# Altium PCB CatsPi-Dev-Board-using-CM4.PcbDoc (part 1 of 2) (continued)
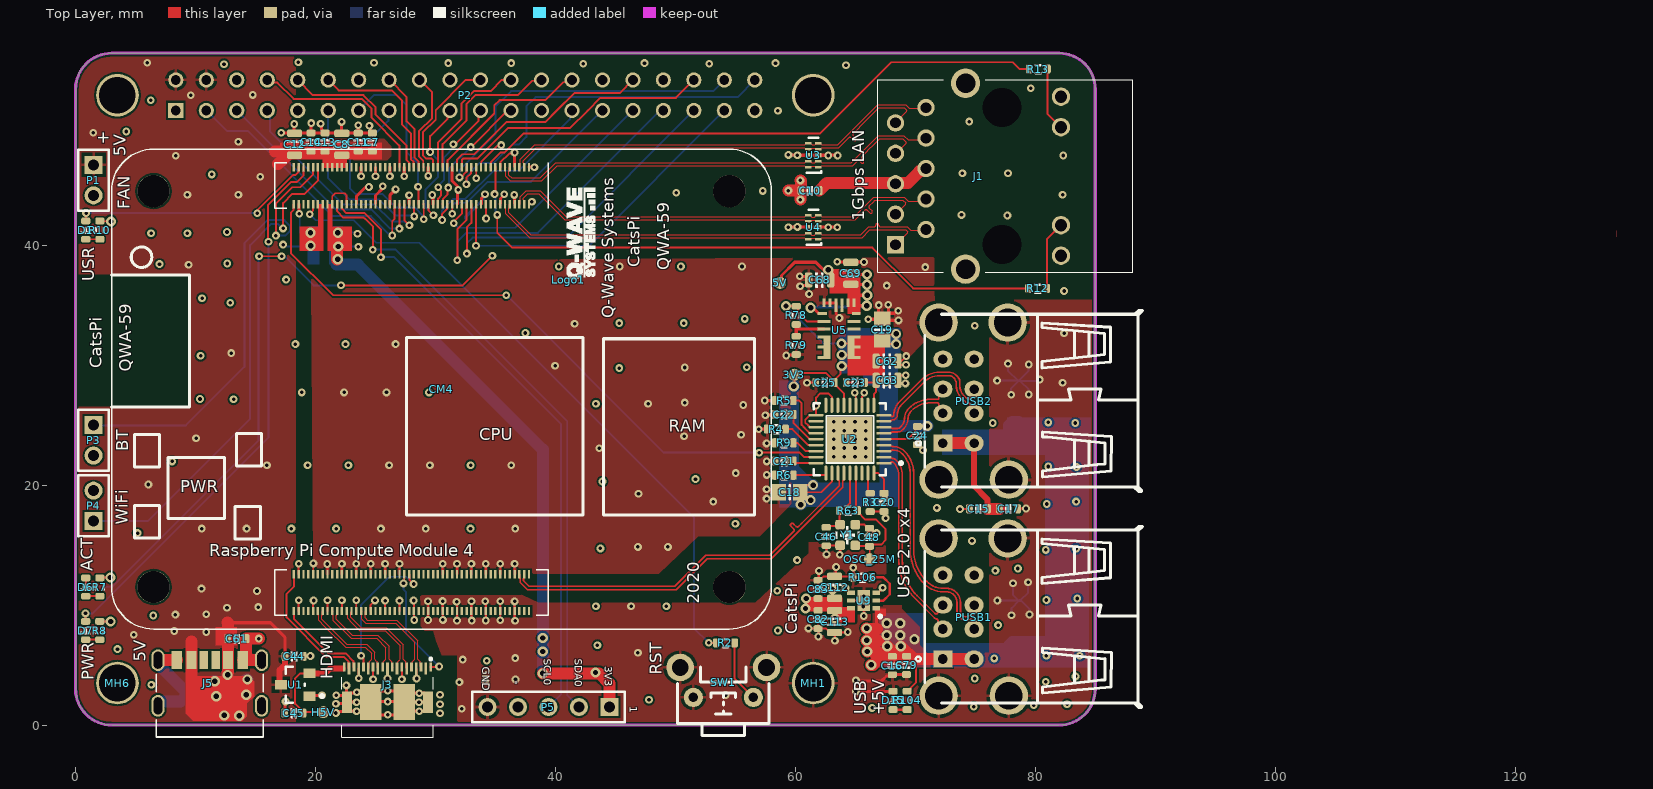
[diagram p0: Top Layer view]
## Components (designator, comment, footprint, x,y, rotation, side; value= is the part's Value field where it differs from the comment) (continued)
R79 "44.2K 1%" RES_0603 60.075,31.648 r90 top locked
R104 "1k" RES_0603 69.322,2.05 r90 top locked
R106 "20K" RES_0603 65.6,12.3 r0 top locked
SW1 "MJTP1117" "TSW DIP-3*6*4.3_V" 54,2.3 r0 top locked
U1 "IC_Diodes_AP2331W-7_eec" DIODES_AP2331W-7_0 18.305,3.361 r90 top locked
U2 "USB2514B/M2" USB2514BM2_SQFN 64.55,23.825 r180 top locked
U3 "TPD4EUSB30DQAR" DQA0010A_V 61.5,47.5 r180 top locked
U4 "TPD4EUSB30DQAR" DQA0010A_V 61.5,41.5 r180 top locked
U5 "MPM3820GQV-P" MPM3820GQVP 63.641,32.744 r0 top locked
U9 "DiodesZetex AP2553AFDC-7" SON65P201X201X63-7N 65.7,10.375 r180 top locked
Y1 "XTAL 25MHz XRCGB25M000F2P02R0" XT_2016_4 64.366,15.839 r270 top locked value=?MHz

## Footprints (in the part's own frame and the unit in brackets; to place one, negate y for a bottom-side part, rotate by r counter-clockwise, add the part's x,y. Pads: shape width x height; smd on the part's side, far side on the other; paste and mask are expansions set on the pad)
6-0805_N [mm] "Chip Resistor, Body 2.0x1.2mm, IPC Medium Density"
  rect 1.2x1.4 smd: 1(-0.9,0) 2(0.9,0)
  silkscreen extent 0,-0.6 0,0.6, body extent -1.07,-0.7 1.07,0.7, height 0.7
48F-01GY2DPL2NL [mm] "48F-01GY2DPL2NL  Shanghai YDS Tech"
  rect 1.446x1.446 hole 0.89: 1(0,0)
  round 1.446 hole 0.89: 2(-1.27,2.54) 3(-2.54,0) 4(-3.81,2.54) 5(-5.08,0) 6(-6.35,2.54) 7(-7.62,0) 8(-8.89,2.54) 9(-10.16,0) 10(-11.43,2.54)
  round 1.53 hole 1.02: 11(0.91,13.79) 12(-1.63,13.79) 13(-9.8,13.79) 14(-12.34,13.79)
  round 2.445 hole 1.63: 15(-13.46,5.84) 16(2.03,5.84)
  round 1.625 hole 3.25 unplated: 17(-11.43,8.89) 18(0,8.89)
  silkscreen extent -13.73,-1.5 2.3,19.79, body extent -13.72,-1.4 2.32,19.9, height 13.5
1210C-GENERIC [mil]
  rect 60x100 smd: 1(0,0) 2(135,0)
  silkscreen extent -50,-70 185,70, body extent -10,-50 145,50, height 46
"C 1210" [mil] "๏ฟฝผ๏ฟฝ๏ฟฝ๏ฟฝ๏ฟฝ๏ฟฝฦฌ๏ฟฝ๏ฟฝ๏ฟฝ๏ฟฝ"
  rect 70x100 smd: 1(-77.5,0) 2(77.5,0)
  silkscreen extent -125,-62 123,62, body extent -63,-51 63,51, height 60
CAP_0603 [mil]
  rrect50% 22x30 smd: 1(-30,0) 2(30,0)
  silkscreen extent -10,-15 10,15, body extent -31,-16 31,16, height 31
CAP_0805 [mil]
  rrect50% 24x50 smd: 1(-36,0) 2(36,0)
  silkscreen extent -12,-24 12,24, body extent -39,-25 39,25, height 39
CM4-F40C-100DS-0.4v_1.5mm_0mm [mm] "DF40C-100DS-0.4v by Amornthep Phunsin"
  round 2.7 hole 2.7: 0(-16.5,24) 0(-16.5,-24) 0(16.5,24) 0(16.5,-24)
  rect 0.7x0.2 smd: 1(18.5,-7.3) 2(15.42,-7.3) 3(18.5,-6.9) 4(15.42,-6.9) 5(18.5,-6.5) 6(15.42,-6.5) 7(18.5,-6.1) 8(15.42,-6.1) 9(18.5,-5.7) 10(15.42,-5.7) 11(18.5,-5.3) 12(15.42,-5.3) 13(18.5,-4.9) 14(15.42,-4.9) 15(18.5,-4.5) 16(15.42,-4.5) 17(18.5,-4.1) 18(15.42,-4.1) 19(18.5,-3.7) 20(15.42,-3.7) 21(18.5,-3.3) 22(15.42,-3.3) 23(18.5,-2.9) 24(15.42,-2.9) 25(18.5,-2.5) 26(15.42,-2.5) 27(18.5,-2.1) 28(15.42,-2.1) 29(18.5,-1.7) 30(15.42,-1.7) 31(18.5,-1.3) 32(15.42,-1.3) 33(18.5,-0.9) 34(15.42,-0.9) 35(18.5,-0.5) 36(15.42,-0.5) 37(18.5,-0.1) 38(15.42,-0.1) 39(18.5,0.3) 40(15.42,0.3) 41(18.5,0.7) 42(15.42,0.7) 43(18.5,1.1) 44(15.42,1.1) 45(18.5,1.5) 46(15.42,1.5) 47(18.5,1.9) 48(15.42,1.9) 49(18.5,2.3) 50(15.42,2.3) 51(18.5,2.7) 52(15.42,2.7) 53(18.5,3.1) 54(15.42,3.1) 55(18.5,3.5) 56(15.42,3.5) 57(18.5,3.9) 58(15.42,3.9) 59(18.5,4.3) 60(15.42,4.3) 61(18.5,4.7) 62(15.42,4.7) 63(18.5,5.1) 64(15.42,5.1) 65(18.5,5.5) 66(15.42,5.5) 67(18.5,5.9) 68(15.42,5.9) 69(18.5,6.3) 70(15.42,6.3) 71(18.5,6.7) 72(15.42,6.7) 73(18.5,7.1) 74(15.42,7.1) 75(18.5,7.5) 76(15.42,7.5) 77(18.5,7.9) 78(15.42,7.9) 79(18.5,8.3) 80(15.42,8.3) 81(18.5,8.7) 82(15.42,8.7) 83(18.5,9.1) 84(15.42,9.1) 85(18.5,9.5) 86(15.42,9.5) 87(18.5,9.9) 88(15.42,9.9) 89(18.5,10.3) 90(15.42,10.3) 91(18.5,10.7) 92(15.42,10.7) 93(18.5,11.1) 94(15.42,11.1) 95(18.5,11.5) 96(15.42,11.5) 97(18.5,11.9) 98(15.42,11.9) 99(18.5,12.3) 100(15.42,12.3) 101(-15.42,-7.3) 102(-18.5,-7.3) 103(-15.42,-6.9) 104(-18.5,-6.9) 105(-15.42,-6.5) 106(-18.5,-6.5) 107(-15.42,-6.1) 108(-18.5,-6.1) 109(-15.42,-5.7) 110(-18.5,-5.7) 111(-15.42,-5.3) 112(-18.5,-5.3) 113(-15.42,-4.9) 114(-18.5,-4.9) 115(-15.42,-4.5) 116(-18.5,-4.5) 117(-15.42,-4.1) 118(-18.5,-4.1) 119(-15.42,-3.7) 120(-18.5,-3.7) 121(-15.42,-3.3) 122(-18.5,-3.3) 123(-15.42,-2.9) 124(-18.5,-2.9) 125(-15.42,-2.5) 126(-18.5,-2.5) 127(-15.42,-2.1) 128(-18.5,-2.1) 129(-15.42,-1.7) 130(-18.5,-1.7) 131(-15.42,-1.3) 132(-18.5,-1.3) 133(-15.42,-0.9) 134(-18.5,-0.9) 135(-15.42,-0.5) 136(-18.5,-0.5) 137(-15.42,-0.1) 138(-18.5,-0.1) 139(-15.42,0.3) 140(-18.5,0.3) 141(-15.42,0.7) 142(-18.5,0.7) 143(-15.42,1.1) 144(-18.5,1.1) 145(-15.42,1.5) 146(-18.5,1.5) 147(-15.42,1.9) 148(-18.5,1.9) 149(-15.42,2.3) 150(-18.5,2.3) 151(-15.42,2.7) 152(-18.5,2.7) 153(-15.42,3.1) 154(-18.5,3.1) 155(-15.42,3.5) 156(-18.5,3.5) 157(-15.42,3.9) 158(-18.5,3.9) 159(-15.42,4.3) 160(-18.5,4.3) 161(-15.42,4.7) 162(-18.5,4.7) 163(-15.42,5.1) 164(-18.5,5.1) 165(-15.42,5.5) 166(-18.5,5.5) 167(-15.42,5.9) 168(-18.5,5.9) 169(-15.42,6.3) 170(-18.5,6.3) 171(-15.42,6.7) 172(-18.5,6.7) 173(-15.42,7.1) 174(-18.5,7.1) 175(-15.42,7.5) 176(-18.5,7.5) 177(-15.42,7.9) 178(-18.5,7.9) 179(-15.42,8.3) 180(-18.5,8.3) 181(-15.42,8.7) 182(-18.5,8.7) 183(-15.42,9.1) 184(-18.5,9.1) 185(-15.42,9.5) 186(-18.5,9.5) 187(-15.42,9.9) 188(-18.5,9.9) 189(-15.42,10.3) 190(-18.5,10.3) 191(-15.42,10.7) 192(-18.5,10.7) 193(-15.42,11.1) 194(-18.5,11.1) 195(-15.42,11.5) 196(-18.5,11.5) 197(-15.42,11.9) 198(-18.5,11.9) 199(-15.42,12.3) 200(-18.5,12.3)
  silkscreen extent -20,-27.5 20,27.5, body extent -20,-27.5 20,27.5, height 5.15
DIODES_AP2331W-7_0 [mm]
  rect 0.8x1 smd paste+0 mask+0: 1(-0.95,-1.2) 2(0.95,-1.2) 3(0,1.2)
  silkscreen extent -1.5,-2.38 1.5,0.8, body extent -1.5,-1.37 1.5,1.43, height 1.15
DQA0010A_V [mm] "SON, 10-Leads, Body 1x2.5mm, Pitch 0.5mm, TI Recommended"
  rrect50% 0.565x0.2 smd: 1(-0.417,1) 2(-0.417,0.5) 4(-0.417,-0.5) 5(-0.417,-1) 6(0.417,-1) 7(0.417,-0.5) 9(0.417,0.5) 10(0.417,1)
  rrect28% 0.565x0.36 on Top Paste: 3(-0.417,0) 8(0.417,0)
  rrect25% 0.565x0.4 smd paste-0.2: 3(-0.417,0) 8(0.417,0)
  silkscreen extent -0.67,-1.45 0.55,1.45, body extent -0.55,-1.3 0.55,1.3, height 0.56
HDR1X2 [mm] "Connector; Header; 2 Position"
  rect 1.5x1.5 hole 0.9: 1(0,0)
  round 1.5 hole 0.9: 2(2.54,0)
  silkscreen extent -1.27,-1.27 3.81,1.27
HDR1X5 [mm] "Connector; Header; 5 Position"
  rect 1.5x1.5 hole 0.9: 1(0,0)
  round 1.5 hole 0.9: 2(2.54,0) 3(5.08,0) 4(7.62,0) 5(10.16,0)
  silkscreen extent -1.27,-1.27 11.43,1.27
"HDR2X20_2.54_180 - 2 Hole" [mil]
  round 140 hole 120: 0(-2091.73,-50) 0(191.73,-50)
  rect 50x50 hole 32: 1(0,0)
  round 50 hole 32: 2(0,-100) 3(-100,0) 4(-100,-100) 5(-200,0) 6(-200,-100) 7(-300,0) 8(-300,-100) 9(-400,0) 10(-400,-100) 11(-500,0) 12(-500,-100) 13(-600,0) 14(-600,-100) 15(-700,0) 16(-700,-100) 17(-800,0) 18(-800,-100) 19(-900,0) 20(-900,-100) 21(-1000,0) 22(-1000,-100) 23(-1100,0) 24(-1100,-100) 25(-1200,0) 26(-1200,-100) 27(-1300,0) 28(-1300,-100) 29(-1400,0) 30(-1400,-100) 31(-1500,0) 32(-1500,-100) 33(-1600,0) 34(-1600,-100) 35(-1700,0) 36(-1700,-100) 37(-1800,0) 38(-1800,-100) 39(-1900,0) 40(-1900,-100)
  body extent -1950,-150 50,50, height 335
LED_0603_BLUE [mil]
  rrect50% 22x30 smd: 1(-30,0) 2(30,0)
  silkscreen extent -10,-16 10,16, body extent -32,-16 32,16, height 24
LED_0603_GREEN [mil]
  rrect50% 22x30 smd: 1(-30,0) 2(30,0)
  silkscreen extent -10,-16 10,16, body extent -32,-16 32,16, height 24
MH3-4 [mil]
  round 140 hole 120: 1(0,0)
MPM3820GQVP [mm]
  rect 0.8x0.25 smd: 1(-1.4,1.55)
  rect 1.1x0.25 smd: 2(-1.25,0.9) 3(-1.25,0.25) 10(1.25,0.25) 11(1.25,0.9)
  rect 0.5x0.25 smd: 4(-1.55,-0.4) 5(-1.55,-1.25) 6(-1.55,-2.1) 7(1.55,-2.1) 8(1.55,-1.25) 9(1.55,-0.4)
  rect 0.6x1.95 smd: 6(-1,-1.25) 7(1,-1.25)
  rect 0.7x0.25 smd: 12(1.45,1.55)
  rect 0.25x0.7 smd: 13(1.25,2.45) 14(0.75,2.45) 17(-0.75,2.45) 18(-1.25,2.45)
  rect 0.25x1.1 smd: 15(0.25,2.25) 16(-0.25,2.25)
  body extent -1.52,-2.54 1.65,2.54, height 0.51
PKS01940110 [mm]
  rect 0.23x0.75 smd: 1(3.6,5.825) 3(2.8,5.825) 5(2,5.825) 7(1.2,5.825) 9(0.4,5.825) 11(-0.4,5.825) 13(-1.2,5.825) 15(-2,5.825) 17(-2.8,5.825) 19(-3.6,5.825)
  rect 0.23x1 smd: 2(3.2,5.7) 4(2.4,5.7) 6(1.6,5.7) 8(0.8,5.7) 10(0,5.7) 12(-0.8,5.7) 14(-1.6,5.7) 16(-2.4,5.7) 18(-3.2,5.7)
  rect 0.85x1.8 smd: 20(-3.375,2.9) 23(3.375,2.9)
  rect 1.8x3 smd: 21(-1.4,2.9) 22(1.4,2.9)
  silkscreen extent -3.83,0 3.83,6.6, body extent -3.15,0 3.35,7.5, height 2.98
Qwave_Logo1 [mm]
  silkscreen extent 0.08,-2.26 7.7,0.1
RES_0603 [mil]
  rrect50% 22x30 smd: 1(-30,0) 2(30,0)
  silkscreen extent -10,-16 10,16, body extent -31,-16 31,16, height 18
SON65P201X201X63-7N [mm]
  rect 0.65x0.35 smd: 1(-1.05,0.65) 2(-1.05,0) 3(-1.05,-0.65) 4(1.05,-0.65) 5(1.05,0) 6(1.05,0.65)
  rect 1.06x1.75 smd: 7(0,0)
  silkscreen extent -1.5,1.2 -1.25,1.45, body extent -1.06,-1.01 1.06,1.01, height 0.63
TEST_POINT [mm]
  round 1 smd: 1(0,0)
"TSW DIP-3*6*4.3_V" [mm] "???????????????????????? 3*6*4.3mm"
  round 1.6 hole 0.8: 1(-2.5,0) 2(2.5,0)
  round 2.3 hole 1.4: PE1(-3.6,2.5) PE2(3.6,2.5)
  silkscreen extent -3.81,-3.17 3.81,2.54, body extent -4,-3.05 4,3.5, height 4.45
TYPE-C-31-M-17 [mm] "Korean Hroparts Elec"
  rect 0.7x1.5 smd: A5(-0.313,1.9) B5(0.687,1.9)
  rect 0.8x1.5 smd: A9(1.707,1.9) B9(-1.333,1.9)
  rect 0.9x1.5 smd: A12(2.937,1.9) B12(-2.563,1.9)
  rect 0.2x0.2 smd paste-1 mask+0: S1(-4.508,1.9) S2(4.132,1.9) S3(-4.508,-1.9) S4(4.132,-1.9)
  oval 1.1x1.799 hole 0.7 slot 1.401 at 90 deg: S1(-4.133,1.9) S2(-4.133,-1.9) S3(4.508,1.9) S4(4.508,-1.9)
  silkscreen extent -4.28,-4.5 4.66,0.73, body extent -4.28,-4.49 4.66,2.41, height 3.2
USB2514BM2_SQFN [mm]
  rect 1.259x0.239 smd paste+0 mask+0: 1(-2.827,2)
  rrect100% 1.259x0.239 smd paste+0 mask+0: 2(-2.827,1.5) 3(-2.827,1) 4(-2.827,0.5) 5(-2.827,0) 6(-2.827,-0.5) 7(-2.827,-1) 8(-2.827,-1.5) 9(-2.827,-2) 19(2.827,-2) 20(2.827,-1.5) 21(2.827,-1) 22(2.827,-0.5) 23(2.827,0) 24(2.827,0.5) 25(2.827,1) 26(2.827,1.5) 27(2.827,2)
  rrect100% 0.239x1.259 smd paste+0 mask+0: 10(-2,-2.827) 11(-1.5,-2.827) 12(-1,-2.827) 13(-0.5,-2.827) 14(0,-2.827) 15(0.5,-2.827) 16(1,-2.827) 17(1.5,-2.827) 18(2,-2.827) 28(2,2.827) 29(1.5,2.827) 30(1,2.827) 31(0.5,2.827) 32(0,2.827) 33(-0.5,2.827) 34(-1,2.827) 35(-1.5,2.827) 36(-2,2.827)
  rect 3.8x3.8 smd paste-1000 mask+0: 37(0,0)
  silkscreen extent -4.38,-3 3,3, body extent -3.96,-3.96 3.96,3.96, height 0.25
USB_A_REC_RA_X2 [mm] "CONN, USB A, Right Angle, DUAL"
  rect 1.4x1.6 hole 0.8: A1(3.5,-1.3)
  oval 1.4x1.6 hole 0.8: A2(1,-1.3) A3(-1,-1.3) A4(-3.5,-1.3) B1(3.5,1.3) B2(1,1.3) B3(-1,1.3) B4(-3.5,1.3)
  round 3.2 hole 2.3: SH1(-6.551,-1.651) SH2(6.551,-1.651) SH3(-6.551,4.1) SH4(6.551,4.199)
  silkscreen extent -7.54,-3.55 7.52,15.32, body extent -7.85,-2.7 7.85,14.9, height 16.3
XT_2016_4 [mil]
  rrect50% 32x32 smd: 1(34,25) 2(-34,25) 3(-34,-25) 4(34,-25)
  silkscreen extent -30,-40 30,40, body extent -39,-31 39,31, height 28

## Part data
3V3 5V H5V OSC_25M: library part TEST_POINT, "Test Point"
C1 C115: library part Cap, "Capacitor 1210", Part Number=0805F476M100NT, LatestRevisionDate=17-Jul-2002, LatestRevisionNote="Re-released for DXP Platform.", PackageDescription="Radial Cap, Thru-Hole; 2 Leads; 0.3 in Pin Spacing", PackageReference=RAD-0.3, Published=8-Jun-2000, Publisher="Altium Limited", Supplier=LCSC
C3 C6 C7 C13 C15 C16 C82: library part "Cap Semi", "1µF ±5% 50V Ceramic Capacitor X7R 0603", MFG=KEMET, MFG P/N=C0603C104J5RACTU
C4 C5 C11 C14 C20 C21 C22 C23 C24 C25 C44 C45 C61 C83: library part "Cap Semi", "0.1µF ±5% 50V Ceramic Capacitor X7R 0603", MFG=KEMET, MFG P/N=C0603C104J5RACTU
C8 C12 C68 C69 C112 C113: library part Cap, "4.7µF ±10% 16V Ceramic Capacitor X5R 0805", MFG=KEMET, MFG P/N=C0603C475K8PACTU
C10: library part "Cap Semi", "100nF ±5% 50V Ceramic Capacitor X7R 0603", MFG=KEMET
C17 C79: library part "Cap Semi", "0.11µF ±5% 50V Ceramic Capacitor X7R 0603", MFG=KEMET, MFG P/N=C0603C104J5RACTU
C18 C19: library part Cap, "Capacitor", Part Number=GRM188R61A475KE15D, ClassName=uSD_slot, LatestRevisionDate=17-Jul-2002, LatestRevisionNote="Re-released for DXP Platform.", PackageDescription="Radial Cap, Thru-Hole; 2 Leads; 0.3 in Pin Spacing", PackageReference=RAD-0.3, Published=8-Jun-2000, Publisher="Altium Limited", Supplier=LCSC
C46 C48: library part "Cap Semi", "33pF ±5% 50V Ceramic Capacitor C0G, NP0 0603", MFG=KEMET
C62 C63: library part Cap, MFG=KEMET, MFG P/N=C0603C475K8PACTU
C109: library part Cap, "47uF 16V Ceramic Capacitor X5R 1210", MFG=KEMET, MFG P/N=C0603C475K8PACTU
CM4: library part CM4, "Raspberry Pi Compute Module 4 by Amornthep Phunsin"
D1 D6 D7 D15: library part LED_0603, "LED", Type=0603
J1: "Shanghai YDS Tech / 48F-01GY2DPL2NL / Ethernet Connectors/Modular Connectors", Manufacturer_Name="Hanrun Electronics", Manufacturer_Part_Number=HY911130A, Datasheet Link=https://datasheet.lcsc.com/szlcsc/1000M-1-1-With-lights_C55679.pdf, Height=13.5mm
J3: library part PKS019-4011-0, "micro HDMI SMD", Manufacturer_Name=Yamaichi, Mouser Part Number=945-PKS019-4011-0, Arrow Part Number=PKS019-4011-0, Datasheet Link=https://www.mouser.com/catalog/specsheets/PKS019-4011-0%20Drawing.pdf, Height=3.27mm, Manufacturer_Part_Number=PKS019-4011-0, Mouser Price/Stock=https://www.mouser.co.uk/ProductDetail/Yamaichi-Electronics/PKS019-4011-0?qs=6DDkx98%252BHnB4M72oyP%252BmZw%3D%3D, Supplier 1=Mouser, Supplier Part Number 1=945-PKS019-4011-0
J5: library part TYPE-C-31-M-17, "Manufacturer Korean Hroparts Elec / Mfr.Part # TYPE-C-31-M-17 / LCSC Part # C283540", Package=None, Availability=Unavailable, MF="{'manufacturer': u'CUI Devices'}", MP=UJC-HP-3-SMT-TR, Price=None
MH1 MH6: library part HOLD
P1 P3 P4: "Header, 2-Pin", LatestRevisionDate=17-Jul-2002, LatestRevisionNote="Re-released for DXP Platform.", Publisher="Altium Limited"
P2: "Header, 20-Pin, Dual row", LatestRevisionDate=17-Jul-2002, LatestRevisionNote="Re-released for DXP Platform.", Publisher="Altium Limited"
P5: "Header, 5-Pin", LatestRevisionDate=17-Jul-2002, LatestRevisionNote="Re-released for DXP Platform.", Publisher="Altium Limited"
PUSB1 PUSB2: "CONN, USB, A, RECEPTACLE, R/A, THD, DUAL", MANF="TE Connectivity", MANF_P#=5787617-1
R1 R2 R7 R8 R10: library part "Res Semi", "470R Resistor 0603"
R3 R4 R5 R6 R9 R12 R13 R63 R78 R79 R106: library part "Res Semi", "Resistor 0603"
R104: library part "Res Semi", "1k Resistor 0603"
SW1: library part SW-PB, "TACT SWITCH Size 6mmx4.3 MJTP1117", Supplier Part Number 1=642-MJTP1117, Supplier 1=Mouser
U1: "IC LOAD SWITCH SC59", Digikey Part Number=AP2331W-7DICT-ND, Manufacturer=Diodes, Mouser Part Number=621-AP2331W-7, Package=SC-59, Part Number=AP2331W-7, Temperature="-40°C to +85°C", Temperature Range High=+85°C, Temperature Range Low=-40°C, ComponentLink1Description=Upverter, ComponentLink1URL=https://upverter.com/upn/revision/7e2e43c6fc93a657/, ComponentLink2Description=Datasheet, ComponentLink2URL=http://www.diodes.com/_files/datasheets/AP2331.pdf, Digikey Description="IC LOAD SWITCH SC59", HelpURL=https://upverter.com/upn/revision/7e2e43c6fc93a657/, Lead Free=yes, Price=0.244736178545, RoHS=TRUE, Supplier 1=Digi-Key, Supplier 2=Mouser, Supplier Part Number 1=AP2331W-7DICT-ND, Supplier Part Number 2=621-AP2331W-7
U2: "IC HUB CTLR 4PORT USB 2.0 HS 36S", Ambient Temperature Range High=+85°C, Ambient Temperature Range Low=0°C, Manufacturer=Microchip, Max Supply Voltage=3.6V, Min Supply Voltage=3V, Nominal Supply Current=35-70mA, Package=36SQFN-3706-6x6B, Temperature="0°C to +85°C", Automotive=No, Category=IC, ComponentLink2Description=Datasheet, ComponentLink2URL=http://ww1.microchip.com/downloads/en/DeviceDoc/00001692C.pdf, Device Class L1="Integrated Circuits (ICs)", Device Class L2="Interface ICs", Device Class L3="USB Interface ICs", Digikey Description="IC HUB CTLR 4PORT USB 2.0 HS 36S", Height=1mm, Interface=I2C,USB,SMBus, Ipc Land Pattern Name=QFN50P600X600X90-36, Lead Free=Yes, Manufacturer Part Number=USB2514B/M2, Mouser Description="Low Speed/Full Speed/High Speed 7 Port Hub Controller USB 2.0 Tray 36-Pin SQFN EP", Number of Ports=4, Octopart=https://octopart.com/usb2514b%2Fm2-microchip-57152181, RoHS=TRUE, Standoff Height=0mm, Temperature Range High=+85°C, Temperature Range Low=0°C, USB Standard="USB 2.0"
U3 U4: library part CMP-0326-00027-3, "ESD Solution for Super-Speed (6 GBPS) USB 3.0 Interface, 4 Channels, -40 to +85 degC, 10-pin SON (DQA), Green (RoHS & no Sb/Br)", Breakdown Voltage(Min)(V)=8, Differential Capacitance(pF)=0.05, IO Capacitance(Typ)(pF)=0.8, IO Leakage Current(nA)=10, Manufacturer="Texas Instruments", 1394 / Firewire=TRUE, ComponentLink1Description="Manufacturer URL", ComponentLink1URL=http://www.ti.com/, ComponentLink2Description=Datasheet, ComponentLink2URL=http://www.ti.com/general/docs/lit/getliterature.tsp?genericPartNumber=TPD4EUSB30&fileType=pdf, ComponentLink3Description="URL Link1", ComponentLink3URL=SamplesURL:http://www.ti.com/product/tpd4eusb30#samples, DatasheetVersion=SLVSAC2C, Eco-Plan="Green (RoHS & no Sb/Br)", HDMI=TRUE, IEC 61000-4-2 Air-Gap(+/- kV)=8, IEC 61000-4-2 Contact(+/- kV)=8, Mounting Technology="Surface Mount", PackageDescription="10-Pin Plastic Small Outline No-Lead, 1 x 2.5 x 0.55 mm Body, 0.5 mm Pitch", PackageReference=DQA0010A, PackageVersion="revB, Sep-2009", PartNumber=TPD4EUSB30DQAR, Serial ATA / eSATA=TRUE, SubFamily="ESD Solution", USB Full Speed=TRUE, USB High Speed=TRUE, USB Super Speed=TRUE
U5: "MPM3820GQV-P VIN 6V, 1.2 MHz,  2A", Manufacturer_Name="Monolithic Power Systems (MPS)", Supplier Part Number 1=946-MPM3820GQV-P, DeviceSetName=MPM3820GQV-P, GateName_1=G$1, Height=mm, LibraryName=MPM3820GQV-P, Manufacturer_Part_Number=MPM3820GQV-P, Mouser_Part_Number=946-MPM3820GQV-P, Supplier 1=Mouser, SymbolName_1=MPM3820GQV-P
U9: library part AP2553AFDC-7, "Power Distribution 2.1A Precision ADJ 5.5V 2.1A", Manufacturer_Name="Diodes Inc.", DeviceSetName=AP2553AFDC-7, GateName_1=G$1, Height=0.63mm, LibraryName=AP2553AFDC-7, Manufacturer_Part_Number=AP2553AFDC-7, Mouser_Part_Number=621-AP2553AFDC-7, Mouser_Price-Stock=https://www.mouser.com/Search/Refine.aspx?Keyword=621-AP2553AFDC-7, SymbolName_1=AP2553AFDC-7
Y1: library part XTAL_2016_4P, "Crystal Oscillator", Type=XTAL2016

## Via types
v1: diameter 0.65, hole 0.3, Top Layer to Bottom Layer, tented both sides, 372 vias
v2: diameter 0.85, hole 0.45, Top Layer to Bottom Layer, tented both sides, 55 vias
v3: diameter 0.66, hole 0.3, Top Layer to Bottom Layer, tented both sides, 20 vias

## Nets (pads, with @x,y where several pads share a name; then routed paths per layer and width w, separated by ;. In a path a pad name is that pad's centre, name@x,y a point inside that pad or via, vN(x,y) a via of type N, cw(c..) or ccw(c..) an arc to the next point about the centre after c; other vN are vias at no path point)
1V8_CM4: C5.1 C6.2 CM4.88 CM4.90 | length 1.4
  Bottom Layer w0.16: v2(19.585,41.039) C5.1@20.253,41.039 ; v2(19.594,39.95) 20.186,39.95 C6.2@20.261,39.875
3V3: 3V3.1 C18.2 C19.2 C20.2 C21.2 C22.2 C23.2 C24.2 C25.2 C62.1 C63.1 R78.2 U2.5 U2.10 U2.15 U2.23 U2.27 U2.29 U2.36 U5.2 U5.7 U5.8 U5.9 | length 85.2
  Top Layer w0.16: v2(59.17,25.874) C22.2@59.837,25.874 59.837,25.202 61.214,23.825 U2.23@61.723,23.825 ; v2(59.189,22) C21.2@59.837,22 60.005,21.832 61.717,21.832 U2.27@61.723,21.825 ; v2(59.225,34.925) 59.233,34.917 60.067,34.917 R78.2@60.075,34.91 60.236,34.748 60.236,34.364 60.956,33.644 U5.2@62.391,33.644 U5.2@62.816,33.644 ; v2(59.875,28.225) 59.925,28.275 3V3.1@59.925,29.2 60.075,29.35 62.539,29.35 C25.2@63.237,28.652 ; v2(60.45,18.375) C18.2@60.45,19.275 ; v2(61.275,18.752) 61.247,18.78 60.945,18.78 C18.2@60.45,19.275 ; v2(61.478,20) 60.945,20 60.425,19.48 C18.2@60.425,19.4 ; U2.29@63.05,20.998 63.05,20.275 62.175,19.4 C18.2@60.425,19.4 ; v2(63.85,31.8) 64.421,31.8 64.641,31.58 U5.7@64.641,31.495 64.641,31.07 64.421,30.85 v2(63.875,30.85) ; U2.15@64.05,26.652 64.05,27.635 63.237,28.448 C25.2@63.237,28.55 C25.2@63.237,28.652 ; 64.625,29.8 64.5,29.925 v2(63.875,29.925) 63.775,29.825 63.775,29.275 63.4,28.9 63.4,28.814 C25.2@63.237,28.652 ; C23.2@65.762,28.55 66.711,28.55 C63.1@66.736,28.575 ; U2.36@66.55,20.998 66.902,20.998 67.394,20.506 C20.2@67.394,19.321 67.454,19.261 v2(67.454,18.653) ; U2.10@66.55,26.652 66.55,27.592 66.736,27.777 C63.1@66.736,28.575 ; C62.1@66.736,30.335 C63.1@66.736,28.735 ; U2.5@67.377,23.825 69.35,23.825 69.995,24.47 69.995,24.707 C24.2@70.175,24.887 70.194,24.906 70.981,24.906 v2(71,24.925) ; v2(67.525,28.625) 66.846,28.625 C63.1@66.736,28.735 ; v2(68.4,31.75) 67.55,31.75 C19.2@67.25,32.05 67.77,32.57 68.37,32.57 v2(68.4,32.6) ; C18.2@60.425,19.4 60.45,19.375 C18.2@60.45,19.275 ; C63.1@66.736,28.575 C63.1@66.736,28.735
  Bottom Layer w0.16: v2(59.225,34.925) 62.35,31.8 v2(63.85,31.8) ; v2(63.875,30.85) v2@63.875,30.975
  Bottom Layer w1: v2(59.875,28.225) 59.17,27.52 v2(59.17,25.874) 59.189,25.854 v2(59.189,22) 61.189,20 v2(61.478,20) 61.478,18.955 v2(61.275,18.752) ; v2(60.45,18.375) 60.728,18.653 v2(67.454,18.653) 67.525,18.725 67.525,24.744 ; 66.375,30 66.45,30 66.65,29.8 66.65,28.735 67.525,27.86 ; v2(67.525,28.625) 67.525,27.86 ; v2(71,24.925) 67.706,24.925 67.525,24.744 ; 67.525,24.744 67.525,27.86
3V3_CM4: C3.2 C4.1 CM4.78 CM4.84 CM4.86 J1.11 J1.14 P2.1 P2.17 P5.1 R7.2 R8.2 R10.2 | length 220.9
  Top Layer w0.16: R8.2@2.019,8.637 2.025,8.631 2.919,8.631 v2(2.925,8.625) ; R7.2@2.025,12.262 2.044,12.281 2.881,12.281 v2(2.9,12.3) ; R10.2@2.025,42.017 2.046,41.996 2.929,41.996 v2(2.95,41.975) ; CM4.84@21.4,43.42 21.4,44.075 21.65,44.325 22.425,44.325 22.5,44.25 22.6,44.15 CM4.78@22.6,43.42
  Top Layer w1: v2@21.788,38.825 21.788,40.382 21.886,40.481 ; v2(38.95,4.3) 43.65,4.3 44.5,3.45 P5.1@44.5,1.5
  Power w0.254: v2(2.9,12.3) v2@2.913,12.287 ; v2@2.913,8.637 v2(2.925,8.625)
  Power w1: v2(2.9,12.3) 11.525,20.925 11.525,40.375 9.65,42.25 3.675,42.25 ; v2@2.913,8.637 v2@2.913,12.287 ; v2(2.95,41.975) 3.675,42.7 3.675,46.546 P2.1@8.359,51.23 12.182,47.408 21.85,47.408 26.883,47.408 28.628,49.153 28.628,49.678 ; v2(21.85,38.825) v2@21.85,39.889 ; v2@21.85,41.041 21.85,46.936 ; v2@21.867,39.889 v2(21.867,41.041) ; P2.17@28.679,51.23 28.628,51.178 28.628,49.678 ; J1.11@82.139,39.125 80.05,41.214 80.05,48.475 ; J1.14@82.139,52.375 80.05,50.286 80.05,48.475 ; 28.628,49.678 28.706,49.6 64.35,49.6 68.255,53.505 71.336,53.505 72.75,52.091 72.75,49.061 73.336,48.475 80.05,48.475
  Bottom Layer w0.16: C3.2@21.218,41.039 21.243,41.014 21.27,41.041 v2(21.867,41.041) ; v2(21.85,38.825) 21.584,38.825 21.238,39.171 21.238,39.863 C4.1@21.226,39.875 21.24,39.889 v2(21.893,39.889)
  Bottom Layer w1: v2(21.85,38.825) 21.85,38.479 21.739,38.369 23.531,38.369 38.95,22.95 v2(38.95,4.3) ; J1.14@82.038,52.274 J1.14@82.139,52.375
  other v2: 43.342,4.375 38.95,6.128 38.95,7.253
5V: 5V.1 C7.2 C8.1 C11.1 C12.1 C13.2 C14.1 C44.2 C61.1 C68.1 C69.1 C82.2 C83.2 C109.1 C112.1 C113.1 CM4.77 CM4.79 CM4.81 CM4.83 CM4.85 CM4.87 J5.A9 J5.B9 P1.1 P2.2 P2.4 U1.3 U5.1 U5.12 U5.13 U5.14 U9.6 | length 64.8
  Top Layer w0.254: 12.675,8.525 16.25,8.525 17.463,7.312 C44.2@17.463,5.725 ; 5V.1@58.725,36.85 58.844,36.969 58.844,37.469 59.95,38.575 61.71,38.575 62.693,37.592 62.764,37.592 62.939,37.416 C68.1@62.939,37.1 ; v2(60.845,9.71) 60.86,9.725 U9.6@64.65,9.725 ; v2(60.9,10.55) 60.906,10.544 61.894,10.544 C83.2@61.9,10.538 61.911,10.549 63.264,10.549 C112.1@63.275,10.561 63.1,10.736 v2(63.1,11.3) ; v2(61.275,34.775) 61.389,34.661 61.604,34.661 61.97,34.294 U5.1@62.241,34.294 ; v2(62.737,37.938) 62.875,37.8 63.175,37.8 ; C113.1@63.275,9.539 63.275,8.9 v2(63.3,8.875) ; C69.1@64.625,36.736 64.643,36.718 65.957,36.718 v2(65.975,36.7) ; 64.8,37.425 64.925,37.55 v2(65.975,37.55) ; 64.95,35.725 65.05,35.825 v2(66,35.825) ; 65.125,34.95 v2(65.95,34.95)
  Top Layer w0.5: U1.3@17.105,3.361 17,3.466 17,4.575 17.463,5.038 C44.2@17.463,5.725
  Top Layer w1: 9.667,6.975 J5.B9@9.667,5.4 9.667,3.333 10.6,2.4 v2(11.725,2.4) ; v2(12.675,4.175) 12.675,4.365 12.69,4.38 12.69,8.51 12.675,8.525 ; 16.625,47.825 18.077,47.825 ; 16.875,46.75 18.013,47.768 18.077,47.825 ; C7.2@24.74,47.824 24.739,47.825 22.19,47.825 20.801,47.825 19.626,47.825 18.077,47.825
  Bottom Layer w0.254: v2(61.275,34.775) 61.363,34.863 65.862,34.863 v2(65.95,34.95)
  Bottom Layer w1: v2(11.6,3.65) 12.055,3.195 C109.1@12.705,3.195 ; v2(11.725,2.4) C109.1@13.069,2.4 ; v2(12.4,0.8) 12.705,1.105 12.705,2.036 C109.1@13.069,2.4 ; v2(12.675,4.175) 12.705,4.145 C109.1@12.705,3.195 ; C109.1@13.093,2.643 C109.1@13.093,2.806 ; C109.1@13.482,2.525 v2(14.228,2.525) ; v2(13.65,0.779) 13.482,0.947 13.482,2.036 C109.1@13.093,2.425 C109.1@13.069,2.4 ; v2(14.325,3.8) 14.25,3.8 13.645,3.195 13.482,3.195 C109.1@13.093,2.806 ; C109.1@12.705,3.195 C109.1@13.093,2.806
  other v1: 47.8,2.1 34.275,5.35 43.5,6.65 4.85,7.525 10.9,7.75 8.225,7.825 58.55,7.875 8.325,9.2 10.9,9.225 12.625,9.775 15.225,9.825 43.375,9.9 49.25,9.9 15.125,11.175 58.5,11.2 10.5,11.375 60.15,13.75 43.75,14.725 10.525,16.375 14.257,16.375 21.721,16.375 32.918,16.375 55,16.775 6.075,20.05 43.925,20.3 51.675,20.5 15.95,21.65 22.742,21.65 32.929,21.65 10.05,23.9 43.375,26.775 18.85,27.725 29.45,27.725 45.325,29.75 55.95,29.825 12.975,31 22.5,31.75 37.5,32.675 45.325,33.5 50.7,33.5 55.775,33.85 40.275,38.225 50.458,38.225 9.425,38.375 9.325,44.2 13.575,44.2 50.075,44.375 15.4,45.7 8.35,47.45 13.575,48.625 1.475,49.375 9.6,52.5 14.775,52.525 64.225,55 42.325,55.125 52.825,55.125 5.975,55.2 24.875,55.2
5V_USB: C1.2 C15.2 C16.2 C17.2 C79.2 C115.2 PUSB1.A1 PUSB1.B1 PUSB2.A1 PUSB2.B1 R104.2 U9.1 | length 72.9
  Top Layer w0.16: R104.2@69.322,2.812 69.392,2.812 69.587,3.007 69.587,3.076 70.075,3.565 70.075,4.975
  Top Layer w0.254: U9.1@66.75,9.725 66.75,8.075 66.825,8
  Top Layer w0.5: PUSB2.B1@74.9,23.5 74.9,19.925 76.008,18.817 76.008,18.054 C15.2@76.037,18.025
  Top Layer w1: v2(65.95,7.05) 66.9,7.05 ; v2(65.95,8.05) 66,8 66.825,8 ; v2(66,6.125) 66.025,6.15 66.775,6.15 ; v2(66.325,5.009) 66.459,5.009 66.95,5.5 C16.2@68.316,5.5 ; 66.775,5.721 C16.2@68.095,5.721 C16.2@68.316,5.5 ; v2(67.662,6.562) 68.725,5.5 ; v2(68.787,6.562) 69.85,5.5 ; 70.098,5.5 69.85,5.5 ; PUSB2.A1@72.3,23.5 PUSB2.B1@74.9,23.5 ; PUSB1.B1@74.9,5.5 PUSB1.A1@72.3,5.5 69.85,5.5 ; C15.2@76.037,18.025 C17.2@77.013,18.025 ; C16.2@68.316,5.5 68.725,5.5 ; 68.725,5.5 69.85,5.5
  Bottom Layer w1: v2(69.925,7.15) 69.925,6.285 70.511,5.699 72.101,5.699 PUSB1.A1@72.3,5.5 PUSB1.B1@74.9,5.5 77.2,5.5 77.855,6.155 77.855,6.663 78.117,6.925 C1.2@78.625,6.925 81,6.925 82.025,7.95 82.025,23.725 80.766,24.984 78.862,24.984 C115.2@78.6,25.246 78.092,25.246 77.83,24.984 77.83,24.086 ; PUSB2.A1@72.3,23.5 75.108,23.5 75.233,23.375 78.875,23.375
  other v1: 66.4,1.425 74.875,1.525 79.875,1.65 82.65,1.725 80.875,3.6 74.95,3.875 83.35,4.05 76.575,5.55 80.925,5.775 83.7,5.775 76.9,8.325 80.925,10.425 83.5,10.55 76.675,12.875 78.55,13.05 80.875,14.6 83.4,14.7 74.725,15.35 80.95,18.425 83.4,18.625 83.425,21.5 81.075,21.55 76.45,25.175 83.325,25.175 81.075,25.225
  other v2: 67.612,7.488 68.737,7.488 67.612,8.487 68.737,8.487
"BT OFF": CM4.91 P3.1 | length 38.8
  Top Layer w0.16: v1(16.7,40.8) 16.7,43.45 18.075,44.825 18.725,44.825 19.8,45.9 CM4.91@19.8,46.5
  Bottom Layer w0.16: P3.1@1.5,25 1.525,24.975 9.2,24.975 14.075,29.85 14.075,40.175 15.987,42.087 17.401,42.087 17.857,41.631 17.857,41.169 17.488,40.8 v1(16.7,40.8)
CLK_25IN: C48.2 OSC_25M.1 R63.2 U2.33 Y1.1 | length 11
  Top Layer w0.16: Y1.1@65.001,14.976 65.045,14.932 66.131,14.932 C48.2@66.175,14.888 ; U2.33@65.05,20.998 65.065,20.983 65.065,17.997 R63.2@65.184,17.879 65.184,17.777 65.836,17.125 66.725,17.125 67.525,16.325 67.525,15.425 67.143,15.043 66.33,15.043 C48.2@66.175,14.888 ; OSC_25M.1@66.2,13.825 66.2,14.863 C48.2@66.175,14.888
CM4_RESET: CM4.100 U2.26 | length 55
  Top Layer w0.16: CM4.100@18.2,43.42 18.18,43.4 18.18,42.943 17.95,42.713 17.95,39.34 21.465,35.825 v1(35.895,35.825) ; v1(56.975,22.7) 60.35,22.7 60.725,22.325 U2.26@61.723,22.325
  Bottom Layer w0.16: v1(35.895,35.825) 35.925,35.825 49.05,22.7 v1(56.975,22.7)
CT: C10.2 J1.5 J1.6 | length 9.7
  Top Layer w1: C10.2@61.987,44.55 62.637,45.2 68.264,45.2 J1.5@68.349,45.115 68.435,45.2 69.4,45.2 70.362,46.162 70.546,46.162 70.769,46.385 J1.6@70.889,46.385
ETH_LED_Green: CM4.15 R12.1 | length 51.8
  Top Layer w0.16: v1(34.93,44.252) 34.93,44.38 35,44.45 CM4.15@35,46.5 ; v1(35.15,42.525) 35.15,41.05 36.4,39.8 66.425,39.8 69.825,36.4 R12.1@79.438,36.4
  Bottom Layer w0.16: v1(34.93,44.252) 34.989,44.193 34.989,42.686 v1(35.15,42.525)
ETH_LED_Yellow: CM4.17 R13.1 | length 49
  Top Layer w0.16: CM4.17@34.6,46.5 34.62,46.52 34.62,46.899 35.459,47.738 35.761,47.738 37.323,49.3 62.025,49.3 67.975,55.25 78.125,55.25 78.7,54.675 R13.1@79.488,54.675
FAULT_DETECT: U2.13 U2.17 U2.19 U2.21 U9.3 | length 30.6
  Top Layer w0.16: U2.21@61.723,24.825 61.228,24.825 61.08,24.973 61.068,24.973 60.828,25.213 60.828,25.453 61.2,25.825 U2.19@61.723,25.825 61.723,26.623 v1(61.725,26.625) 61.725,27.3 62.05,27.625 62.775,27.625 63.05,27.35 U2.17@63.05,26.652 ; v1(64.948,27.701) 65.035,27.613 65.035,26.667 U2.13@65.05,26.652 ; U9.3@66.75,11.025 66.9,11.025 67.275,11.4 v1(67.275,11.45)
  Power w0.16: v1(61.725,26.625) 62.801,27.701 v1(64.948,27.701) 64.976,27.673 64.976,27.249 65.725,26.5 67.291,26.5 68.375,25.416 68.375,12.55 v1(67.275,11.45)